# EAGLE board Mk4 Final Panel 8up 2x4 (EAGLE 9.0.1), part 21 of 23 (continued)
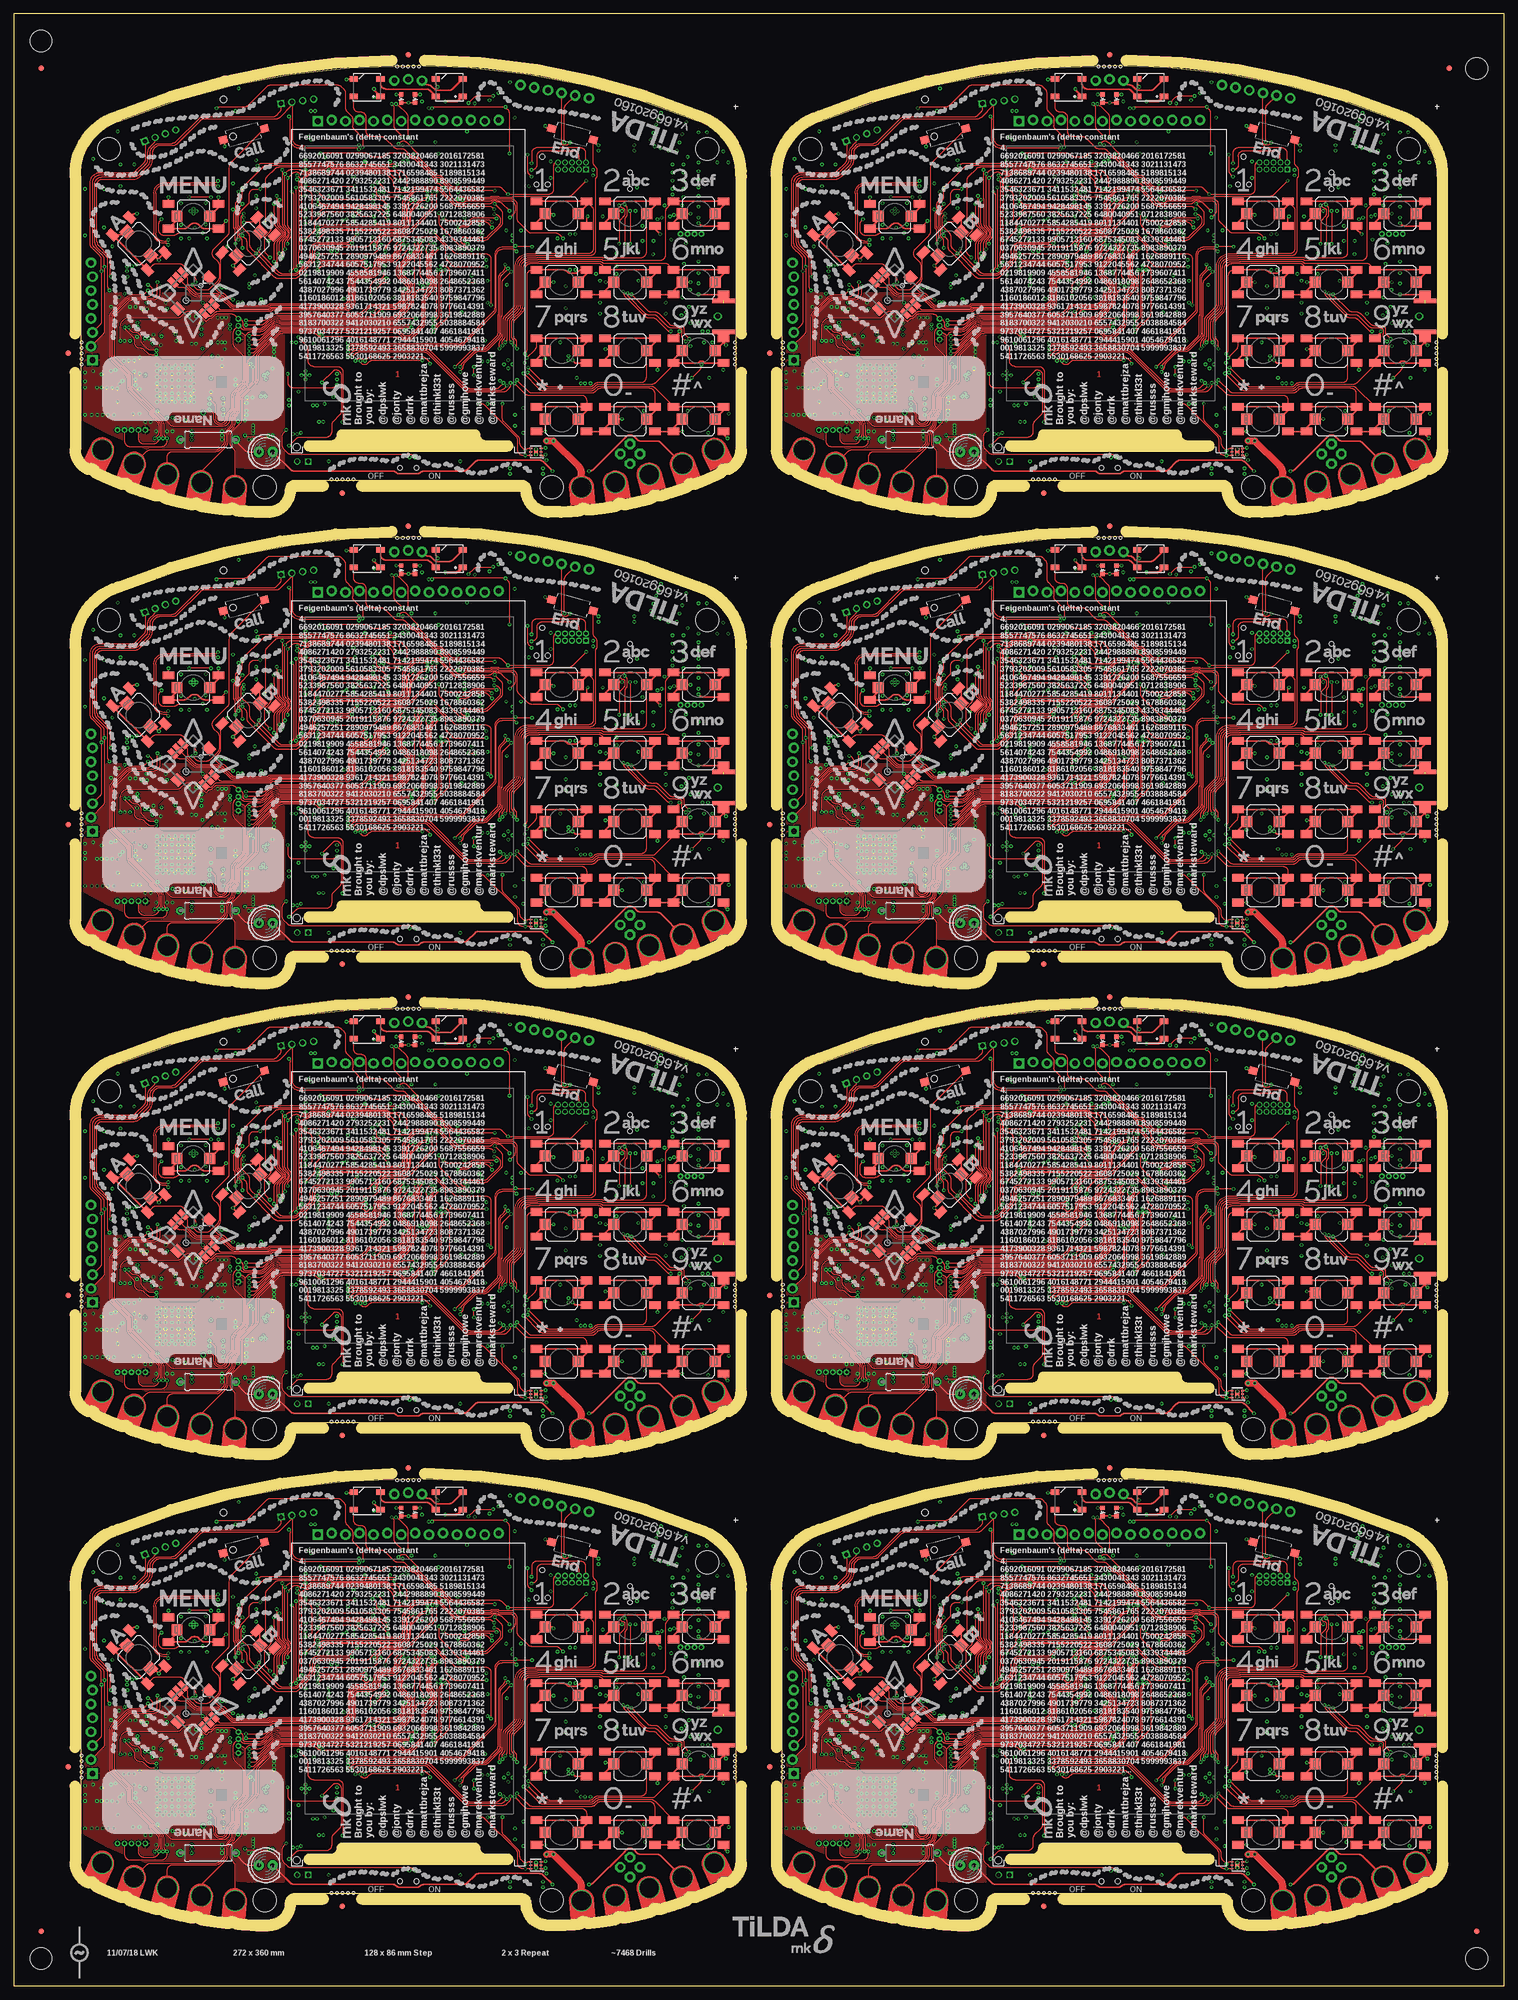
[diagram p0: board, top side]
## Tracks (layer width: path | path; a pad name or v marks a point on that pad's centre or on a via) (continued)
UART3_CC_RX2  (via drill 0.3)
  Top 0.15: v35.75,117.75 36.46,117.04 arc-45 36.75,116.34 36.75,114.25 arc90 37.75,113.25 37.8,113.25 arc90 38.8,114.25 arc-45 39.24,115.31 39.51,115.58 arc45 39.8,116.29 39.8,117.95 arc-45 40.31,119.19 41.66,120.53 arc45 41.95,121.24 41.95,125.14 arc45 41.66,125.84 40.29,127.21 arc-45 40,127.91 40,129.63 arc-45 40.29,130.33 JP25.3 41.04,131.04 41.48,130.59 arc45 42.19,130.3 44.94,130.3 arc45 45.82,130.67 46.68,131.52 arc-45 48.8,132.4 69.01,132.4 arc45 69.9,132.77 72.11,134.98 arc45 72.4,135.68 72.4,136.19 arc-45 72.55,136.55 72.75,136.75 arc45 72.9,137.11 72.9,137.98 arc45 72.53,138.87 71.1,140.3 arc-90 71.1,141.71 73.45,144.06 arc45 73.6,144.42 73.6,144.43 arc-45 73.75,144.78 arc45 73.83,144.97 73.83,146.12 arc-45 73.97,146.47 v74,146.5
  Bottom 0.15: IC47.55 34.35,121.25 arc-90 35.35,120.25 35.35,118.35 arc45 35.41,118.21 35.47,118.15 arc-45 35.52,118.01 35.52,117.97 v35.75,117.75 R224.1 | IC38.116 75,149.6 arc90 74,148.6 v74,146.5
UART3_CC_RX3  (via drill 0.3)
  Top 0.15: v163.75,117.75 164.46,117.04 arc-45 164.75,116.34 164.75,114.25 arc90 165.75,113.25 165.8,113.25 arc90 166.8,114.25 arc-45 167.24,115.31 167.51,115.58 arc45 167.8,116.29 167.8,117.95 arc-45 168.31,119.19 169.66,120.53 arc45 169.95,121.24 169.95,125.14 arc45 169.66,125.84 168.29,127.21 arc-45 168,127.91 168,129.63 arc-45 168.29,130.33 JP34.3 169.04,131.04 169.48,130.59 arc45 170.19,130.3 172.94,130.3 arc45 173.82,130.67 174.68,131.52 arc-45 176.8,132.4 197.01,132.4 arc45 197.9,132.77 200.11,134.98 arc45 200.4,135.68 200.4,136.19 arc-45 200.55,136.55 200.75,136.75 arc45 200.9,137.11 200.9,137.98 arc45 200.53,138.87 199.1,140.3 arc-90 199.1,141.71 201.45,144.06 arc45 201.6,144.42 201.6,144.43 arc-45 201.75,144.78 arc45 201.82,144.97 201.82,146.12 arc-45 201.97,146.47 v202,146.5
  Bottom 0.15: IC65.55 162.35,121.25 arc-90 163.35,120.25 163.35,118.35 arc45 163.41,118.21 163.47,118.15 arc-45 163.53,118.01 163.53,117.97 v163.75,117.75 R302.1 | IC56.116 203,149.6 arc90 202,148.6 v202,146.5
UART3_CC_RX4  (via drill 0.3)
  Top 0.15: v35.75,203.75 36.46,203.04 arc-45 36.75,202.34 36.75,200.25 arc90 37.75,199.25 37.8,199.25 arc90 38.8,200.25 arc-45 39.24,201.31 39.51,201.58 arc45 39.8,202.29 39.8,203.95 arc-45 40.31,205.19 41.66,206.53 arc45 41.95,207.24 41.95,211.14 arc45 41.66,211.84 40.29,213.21 arc-45 40,213.91 40,215.63 arc-45 40.29,216.33 JP43.3 41.04,217.04 41.48,216.59 arc45 42.19,216.3 44.94,216.3 arc45 45.82,216.67 46.68,217.52 arc-45 48.8,218.4 69.01,218.4 arc45 69.9,218.77 72.11,220.98 arc45 72.4,221.68 72.4,222.19 arc-45 72.55,222.55 72.75,222.75 arc45 72.9,223.11 72.9,223.98 arc45 72.53,224.87 71.1,226.3 arc-90 71.1,227.71 73.45,230.06 arc45 73.6,230.42 73.6,230.43 arc-45 73.75,230.78 arc45 73.83,230.97 73.83,232.12 arc-45 73.97,232.47 v74,232.5
  Bottom 0.15: IC83.55 34.35,207.25 arc-90 35.35,206.25 35.35,204.35 arc45 35.41,204.21 35.47,204.15 arc-45 35.52,204.01 35.52,203.97 v35.75,203.75 R380.1 | IC74.116 75,235.6 arc90 74,234.6 v74,232.5
UART3_CC_RX5  (via drill 0.3)
  Top 0.15: v163.75,203.75 164.46,203.04 arc-45 164.75,202.34 164.75,200.25 arc90 165.75,199.25 165.8,199.25 arc90 166.8,200.25 arc-45 167.24,201.31 167.51,201.58 arc45 167.8,202.29 167.8,203.95 arc-45 168.31,205.19 169.66,206.53 arc45 169.95,207.24 169.95,211.14 arc45 169.66,211.84 168.29,213.21 arc-45 168,213.91 168,215.63 arc-45 168.29,216.33 JP52.3 169.04,217.04 169.48,216.59 arc45 170.19,216.3 172.94,216.3 arc45 173.82,216.67 174.68,217.52 arc-45 176.8,218.4 197.01,218.4 arc45 197.9,218.77 200.11,220.98 arc45 200.4,221.68 200.4,222.19 arc-45 200.55,222.55 200.75,222.75 arc45 200.9,223.11 200.9,223.98 arc45 200.53,224.87 199.1,226.3 arc-90 199.1,227.71 201.45,230.06 arc45 201.6,230.42 201.6,230.43 arc-45 201.75,230.78 arc45 201.82,230.97 201.82,232.12 arc-45 201.97,232.47 v202,232.5
  Bottom 0.15: IC101.55 162.35,207.25 arc-90 163.35,206.25 163.35,204.35 arc45 163.41,204.21 163.47,204.15 arc-45 163.53,204.01 163.53,203.97 v163.75,203.75 R458.1 | IC92.116 203,235.6 arc90 202,234.6 v202,232.5
UART3_CC_RX6  (via drill 0.3)
  Top 0.15: v35.75,289.75 36.46,289.04 arc-45 36.75,288.34 36.75,286.25 arc90 37.75,285.25 37.8,285.25 arc90 38.8,286.25 arc-45 39.24,287.31 39.51,287.58 arc45 39.8,288.29 39.8,289.95 arc-45 40.31,291.19 41.66,292.53 arc45 41.95,293.24 41.95,297.14 arc45 41.66,297.84 40.29,299.21 arc-45 40,299.91 40,301.63 arc-45 40.29,302.33 JP61.3 41.04,303.04 41.48,302.59 arc45 42.19,302.3 44.94,302.3 arc45 45.82,302.67 46.68,303.52 arc-45 48.8,304.4 69.01,304.4 arc45 69.9,304.77 72.11,306.98 arc45 72.4,307.68 72.4,308.19 arc-45 72.55,308.55 72.75,308.75 arc45 72.9,309.11 72.9,309.98 arc45 72.53,310.87 71.1,312.3 arc-90 71.1,313.71 73.45,316.06 arc45 73.6,316.42 73.6,316.43 arc-45 73.75,316.78 arc45 73.83,316.97 73.83,318.12 arc-45 73.97,318.47 v74,318.5
  Bottom 0.15: IC119.55 34.35,293.25 arc-90 35.35,292.25 35.35,290.35 arc45 35.41,290.21 35.47,290.15 arc-45 35.52,290.01 35.52,289.98 v35.75,289.75 R536.1 | IC110.116 75,321.6 arc90 74,320.6 v74,318.5
UART3_CC_RX7  (via drill 0.3)
  Top 0.15: v163.75,289.75 164.46,289.04 arc-45 164.75,288.34 164.75,286.25 arc90 165.75,285.25 165.8,285.25 arc90 166.8,286.25 arc-45 167.24,287.31 167.51,287.58 arc45 167.8,288.29 167.8,289.95 arc-45 168.31,291.19 169.66,292.53 arc45 169.95,293.24 169.95,297.14 arc45 169.66,297.84 168.29,299.21 arc-45 168,299.91 168,301.63 arc-45 168.29,302.33 JP70.3 169.04,303.04 169.48,302.59 arc45 170.19,302.3 172.94,302.3 arc45 173.82,302.67 174.68,303.52 arc-45 176.8,304.4 197.01,304.4 arc45 197.9,304.77 200.11,306.98 arc45 200.4,307.68 200.4,308.19 arc-45 200.55,308.55 200.75,308.75 arc45 200.9,309.11 200.9,309.98 arc45 200.53,310.87 199.1,312.3 arc-90 199.1,313.71 201.45,316.06 arc45 201.6,316.42 201.6,316.43 arc-45 201.75,316.78 arc45 201.82,316.97 201.82,318.12 arc-45 201.97,318.47 v202,318.5
  Bottom 0.15: IC137.55 162.35,293.25 arc-90 163.35,292.25 163.35,290.35 arc45 163.41,290.21 163.47,290.15 arc-45 163.53,290.01 163.53,289.98 v163.75,289.75 R614.1 | IC128.116 203,321.6 arc90 202,320.6 v202,318.5
UART3_CC_TX  (via drill 0.3)
  Top 0.15: v35.75,29.75 36.45,29.05 36.45,28.2 arc90 37.7,26.95 37.85,26.95 arc90 39.1,28.2 arc-45 39.49,29.14 39.73,29.38 arc45 40.1,30.27 40.1,31.62 arc-45 40.76,33.21 41.88,34.33 arc45 42.25,35.22 42.25,43.25 | 42.25,43.25 42.71,43.71 arc-45 43.41,44 44.96,44 arc45 46.02,44.44 46.88,45.3 arc-45 48.82,46.1 69.03,46.1 arc45 70.09,46.54 72.41,48.85 arc45 72.7,49.56 72.7,50.02 arc-45 72.85,50.37 73.05,50.58 arc45 73.2,50.93 73.2,57.09 arc-45 73.41,57.59 73.75,57.94 arc45 73.9,58.29 73.9,58.3 arc-45 74.05,58.66 arc45 74.12,58.84 74.12,59.67 arc-45 74.27,60.02 v74.75,60.5 | JP5.2 41.32,43.77 arc-45 42.02,43.48 42.25,43.25
  Bottom 0.15: IC15.57 arc-90 34.65,33.55 34.65,32.06 arc45 34.71,31.92 34.77,31.86 arc-45 34.83,31.72 34.83,31.09 arc45 35.12,30.38 v35.75,29.75 R69.1 | v74.75,60.5 74.75,62.27 arc-90 75.75,63.27 77.62,63.27 77.69,63.2 IC1.117
UART3_CC_TX1  (via drill 0.3)
  Top 0.15: v163.75,29.75 164.45,29.05 164.45,28.2 arc90 165.7,26.95 165.85,26.95 arc90 167.1,28.2 arc-45 167.49,29.14 167.73,29.38 arc45 168.1,30.27 168.1,31.62 arc-45 168.76,33.21 169.88,34.33 arc45 170.25,35.22 170.25,43.25 | 170.25,43.25 170.71,43.71 arc-45 171.41,44 172.96,44 arc45 174.02,44.44 174.88,45.3 arc-45 176.82,46.1 197.03,46.1 arc45 198.09,46.54 200.41,48.85 arc45 200.7,49.56 200.7,50.02 arc-45 200.85,50.37 201.05,50.58 arc45 201.2,50.93 201.2,57.09 arc-45 201.41,57.59 201.75,57.94 arc45 201.9,58.29 201.9,58.3 arc-45 202.05,58.66 arc45 202.12,58.84 202.12,59.67 arc-45 202.27,60.02 v202.75,60.5 | JP16.2 169.32,43.77 arc-45 170.02,43.48 170.25,43.25
  Bottom 0.15: IC29.57 arc-90 162.65,33.55 162.65,32.06 arc45 162.71,31.92 162.77,31.86 arc-45 162.82,31.72 162.82,31.09 arc45 163.12,30.38 v163.75,29.75 R147.1 | v202.75,60.5 202.75,62.27 arc-90 203.75,63.27 205.62,63.27 205.69,63.2 IC20.117
UART3_CC_TX2  (via drill 0.3)
  Top 0.15: v35.75,115.75 36.45,115.05 36.45,114.2 arc90 37.7,112.95 37.85,112.95 arc90 39.1,114.2 arc-45 39.49,115.14 39.73,115.38 arc45 40.1,116.27 40.1,117.62 arc-45 40.76,119.21 41.88,120.33 arc45 42.25,121.22 42.25,129.25 | 42.25,129.25 42.71,129.71 arc-45 43.41,130 44.96,130 arc45 46.02,130.44 46.88,131.3 arc-45 48.82,132.1 69.03,132.1 arc45 70.09,132.54 72.41,134.85 arc45 72.7,135.56 72.7,136.02 arc-45 72.85,136.37 73.05,136.58 arc45 73.2,136.93 73.2,143.09 arc-45 73.41,143.59 73.75,143.94 arc45 73.9,144.29 73.9,144.3 arc-45 74.05,144.66 arc45 74.12,144.84 74.12,145.67 arc-45 74.27,146.02 v74.75,146.5 | JP25.2 41.32,129.77 arc-45 42.02,129.48 42.25,129.25
  Bottom 0.15: IC47.57 arc-90 34.65,119.55 34.65,118.06 arc45 34.71,117.92 34.77,117.86 arc-45 34.83,117.72 34.83,117.09 arc45 35.12,116.38 v35.75,115.75 R225.1 | v74.75,146.5 74.75,148.28 arc-90 75.75,149.28 77.62,149.28 77.69,149.2 IC38.117
UART3_CC_TX3  (via drill 0.3)
  Top 0.15: v163.75,115.75 164.45,115.05 164.45,114.2 arc90 165.7,112.95 165.85,112.95 arc90 167.1,114.2 arc-45 167.49,115.14 167.73,115.38 arc45 168.1,116.27 168.1,117.62 arc-45 168.76,119.21 169.88,120.33 arc45 170.25,121.22 170.25,129.25 | 170.25,129.25 170.71,129.71 arc-45 171.41,130 172.96,130 arc45 174.02,130.44 174.88,131.3 arc-45 176.82,132.1 197.03,132.1 arc45 198.09,132.54 200.41,134.85 arc45 200.7,135.56 200.7,136.02 arc-45 200.85,136.37 201.05,136.58 arc45 201.2,136.93 201.2,143.09 arc-45 201.41,143.59 201.75,143.94 arc45 201.9,144.29 201.9,144.3 arc-45 202.05,144.66 arc45 202.12,144.84 202.12,145.67 arc-45 202.27,146.02 v202.75,146.5 | JP34.2 169.32,129.77 arc-45 170.02,129.48 170.25,129.25
  Bottom 0.15: IC65.57 arc-90 162.65,119.55 162.65,118.06 arc45 162.71,117.92 162.77,117.86 arc-45 162.82,117.72 162.82,117.09 arc45 163.12,116.38 v163.75,115.75 R303.1 | v202.75,146.5 202.75,148.28 arc-90 203.75,149.28 205.62,149.28 205.69,149.2 IC56.117
UART3_CC_TX4  (via drill 0.3)
  Top 0.15: v35.75,201.75 36.45,201.05 36.45,200.2 arc90 37.7,198.95 37.85,198.95 arc90 39.1,200.2 arc-45 39.49,201.14 39.73,201.38 arc45 40.1,202.27 40.1,203.62 arc-45 40.76,205.21 41.88,206.33 arc45 42.25,207.22 42.25,215.25 | 42.25,215.25 42.71,215.71 arc-45 43.41,216 44.96,216 arc45 46.02,216.44 46.88,217.29 arc-45 48.82,218.1 69.03,218.1 arc45 70.09,218.54 72.41,220.85 arc45 72.7,221.56 72.7,222.02 arc-45 72.85,222.37 73.05,222.58 arc45 73.2,222.93 73.2,229.09 arc-45 73.41,229.59 73.75,229.94 arc45 73.9,230.29 73.9,230.3 arc-45 74.05,230.66 arc45 74.12,230.84 74.12,231.67 arc-45 74.27,232.02 v74.75,232.5 | JP43.2 41.32,215.77 arc-45 42.02,215.48 42.25,215.25
  Bottom 0.15: IC83.57 arc-90 34.65,205.55 34.65,204.06 arc45 34.71,203.92 34.77,203.86 arc-45 34.83,203.72 34.83,203.09 arc45 35.12,202.38 v35.75,201.75 R381.1 | v74.75,232.5 74.75,234.28 arc-90 75.75,235.28 77.62,235.28 77.69,235.2 IC74.117
UART3_CC_TX5  (via drill 0.3)
  Top 0.15: v163.75,201.75 164.45,201.05 164.45,200.2 arc90 165.7,198.95 165.85,198.95 arc90 167.1,200.2 arc-45 167.49,201.14 167.73,201.38 arc45 168.1,202.27 168.1,203.62 arc-45 168.76,205.21 169.88,206.33 arc45 170.25,207.22 170.25,215.25 | 170.25,215.25 170.71,215.71 arc-45 171.41,216 172.96,216 arc45 174.02,216.44 174.88,217.29 arc-45 176.82,218.1 197.03,218.1 arc45 198.09,218.54 200.41,220.85 arc45 200.7,221.56 200.7,222.02 arc-45 200.85,222.37 201.05,222.58 arc45 201.2,222.93 201.2,229.09 arc-45 201.41,229.59 201.75,229.94 arc45 201.9,230.29 201.9,230.3 arc-45 202.05,230.66 arc45 202.12,230.84 202.12,231.67 arc-45 202.27,232.02 v202.75,232.5 | JP52.2 169.32,215.77 arc-45 170.02,215.48 170.25,215.25
  Bottom 0.15: IC101.57 arc-90 162.65,205.55 162.65,204.06 arc45 162.71,203.92 162.77,203.86 arc-45 162.82,203.72 162.82,203.09 arc45 163.12,202.38 v163.75,201.75 R459.1 | v202.75,232.5 202.75,234.28 arc-90 203.75,235.28 205.62,235.28 205.69,235.2 IC92.117
UART3_CC_TX6  (via drill 0.3)
  Top 0.15: v35.75,287.75 36.45,287.05 36.45,286.2 arc90 37.7,284.95 37.85,284.95 arc90 39.1,286.2 arc-45 39.49,287.14 39.73,287.38 arc45 40.1,288.27 40.1,289.62 arc-45 40.76,291.21 41.88,292.33 arc45 42.25,293.22 42.25,301.25 | 42.25,301.25 42.71,301.71 arc-45 43.41,302 44.96,302 arc45 46.02,302.44 46.88,303.3 arc-45 48.82,304.1 69.03,304.1 arc45 70.09,304.54 72.41,306.85 arc45 72.7,307.56 72.7,308.02 arc-45 72.85,308.37 73.05,308.58 arc45 73.2,308.93 73.2,315.09 arc-45 73.41,315.59 73.75,315.94 arc45 73.9,316.29 73.9,316.3 arc-45 74.05,316.65 arc45 74.12,316.85 74.12,317.67 arc-45 74.27,318.02 v74.75,318.5 | JP61.2 41.32,301.77 arc-45 42.02,301.48 42.25,301.25
  Bottom 0.15: IC119.57 arc-90 34.65,291.55 34.65,290.06 arc45 34.71,289.92 34.77,289.86 arc-45 34.83,289.72 34.83,289.09 arc45 35.12,288.38 v35.75,287.75 R537.1 | v74.75,318.5 74.75,320.27 arc-90 75.75,321.27 77.62,321.27 77.69,321.2 IC110.117
UART3_CC_TX7  (via drill 0.3)
  Top 0.15: v163.75,287.75 164.45,287.05 164.45,286.2 arc90 165.7,284.95 165.85,284.95 arc90 167.1,286.2 arc-45 167.49,287.14 167.73,287.38 arc45 168.1,288.27 168.1,289.62 arc-45 168.76,291.21 169.88,292.33 arc45 170.25,293.22 170.25,301.25 | 170.25,301.25 170.71,301.71 arc-45 171.41,302 172.96,302 arc45 174.02,302.44 174.88,303.3 arc-45 176.82,304.1 197.03,304.1 arc45 198.09,304.54 200.41,306.85 arc45 200.7,307.56 200.7,308.02 arc-45 200.85,308.37 201.05,308.58 arc45 201.2,308.93 201.2,315.09 arc-45 201.41,315.59 201.75,315.94 arc45 201.9,316.29 201.9,316.3 arc-45 202.05,316.65 arc45 202.12,316.85 202.12,317.67 arc-45 202.27,318.02 v202.75,318.5 | JP70.2 169.32,301.77 arc-45 170.02,301.48 170.25,301.25
  Bottom 0.15: IC137.57 arc-90 162.65,291.55 162.65,290.06 arc45 162.71,289.92 162.77,289.86 arc-45 162.82,289.72 162.82,289.09 arc45 163.12,288.38 v163.75,287.75 R615.1 | v202.75,318.5 202.75,320.27 arc-90 203.75,321.27 205.62,321.27 205.69,321.2 IC128.117
UART4_EXT_RX  (via drill 0.3)
  Top 0.15: PCB.CH3 28.04,21.1 arc-90 29.04,22.1 36.88,22.1 arc45 37.77,22.47 38.48,23.18 arc45 38.85,24.07 38.85,24.93 arc-45 39.29,25.99 39.73,26.43 arc45 40.1,27.32 40.1,27.86 arc-45 40.47,28.74 arc45 41,30.03 41,31.55 arc-45 41.44,32.61 43.41,34.58 arc45 43.7,35.29 v43.7,37.5 | v71.4,51.7 71.35,51.65 arc45 71.2,51.29 71.2,50.37 arc-45 70.83,49.48 70.42,49.07 arc-45 69.53,48.7 65.61,48.7 arc45 64.91,48.41 63.87,47.37 arc-45 62.98,47 48.76,47 arc45 46.38,46.08 45.8,45.49 arc-45 45.09,45.2 v42.4,45.2
  Top 0.2: J10.1 arc-45 24.1,78.32 24.1,75.51 arc-45 23.81,74.81 22.29,73.29 arc-45 21.59,73 15.75,73 arc90 14,71.25 14,59.91 arc45 14.29,59.21 15.71,57.79 arc-45 16,57.09 v16,55 16,45.87 arc-45 15.71,45.16 JP6.3
  3V3@2 0.15: 28,17.87 PCB.CH3 | v42.4,45.2 42.3,45.2 41.75,45.75 41.75,46.73 40.95,47.53 v40.95,49.35 | v20.7,55 v16,55
  Bottom 0.15: v71.4,51.7 71.32,51.78 arc-45 71.18,52.13 71.18,53.37 arc45 71.03,53.72 70.85,53.9 arc-45 70.7,54.26 70.7,55.26 arc-45 70.99,55.97 71.11,56.08 arc45 71.4,56.79 IC1.18 | v42.4,45.2 arc-45 42.91,44.99 43.71,44.19 arc-45 44,43.49 44,38.21 arc-45 v43.71,37.51 v43.7,37.5 | v20.7,55 32.41,55 arc-45 33.12,54.71 34.71,53.11 arc45 35.95,52.6 38.9,52.6 arc-90 39.9,51.6 39.9,51.03 arc45 40.03,50.73 40.63,50.12 arc-45 v40.95,49.35
  Bottom 0.3: J10.5 J10.1
UART4_EXT_RX1  (via drill 0.3)
  Top 0.15: PCB1.CH3 156.04,21.1 arc-90 157.04,22.1 164.88,22.1 arc45 165.77,22.47 166.48,23.18 arc45 166.85,24.07 166.85,24.93 arc-45 167.29,25.99 167.73,26.43 arc45 168.1,27.32 168.1,27.86 arc-45 168.47,28.74 arc45 169,30.03 169,31.55 arc-45 169.44,32.61 171.41,34.58 arc45 171.7,35.29 v171.7,37.5 | v199.4,51.7 199.35,51.65 arc45 199.2,51.29 199.2,50.37 arc-45 198.83,49.48 198.42,49.07 arc-45 197.53,48.7 193.61,48.7 arc45 192.91,48.41 191.87,47.37 arc-45 190.98,47 176.76,47 arc45 174.38,46.08 173.8,45.49 arc-45 173.09,45.2 v170.4,45.2
  Top 0.2: J16.1 arc-45 152.1,78.32 152.1,75.51 arc-45 151.81,74.81 150.29,73.29 arc-45 149.59,73 143.75,73 arc90 142,71.25 142,59.91 arc45 142.29,59.21 143.71,57.79 arc-45 144,57.09 v144,55 144,45.87 arc-45 143.71,45.16 JP17.3
  3V3@2 0.15: 156,17.87 PCB1.CH3 | v170.4,45.2 170.3,45.2 169.75,45.75 169.75,46.73 168.95,47.53 v168.95,49.35 | v148.7,55 v144,55
  Bottom 0.15: v199.4,51.7 199.32,51.78 arc-45 199.18,52.13 199.18,53.37 arc45 199.03,53.72 198.85,53.9 arc-45 198.7,54.26 198.7,55.26 arc-45 198.99,55.97 199.11,56.08 arc45 199.4,56.79 IC20.18 | v170.4,45.2 arc-45 170.91,44.99 171.71,44.19 arc-45 172,43.49 172,38.21 arc-45 v171.71,37.51 v171.7,37.5 | v148.7,55 160.41,55 arc-45 161.12,54.71 162.71,53.11 arc45 163.95,52.6 166.9,52.6 arc-90 167.9,51.6 167.9,51.03 arc45 168.03,50.73 168.63,50.12 arc-45 v168.95,49.35
  Bottom 0.3: J16.5 J16.1
UART4_EXT_RX2  (via drill 0.3)
  Top 0.15: PCB2.CH3 28.04,107.1 arc-90 29.04,108.1 36.88,108.1 arc45 37.77,108.47 38.48,109.18 arc45 38.85,110.07 38.85,110.93 arc-45 39.29,111.99 39.73,112.43 arc45 40.1,113.32 40.1,113.86 arc-45 40.47,114.74 arc45 41,116.03 41,117.55 arc-45 41.44,118.61 43.41,120.58 arc45 43.7,121.29 v43.7,123.5 | v71.4,137.7 71.35,137.65 arc45 71.2,137.29 71.2,136.37 arc-45 70.83,135.48 70.42,135.07 arc-45 69.53,134.7 65.61,134.7 arc45 64.91,134.41 63.87,133.37 arc-45 62.98,133 48.76,133 arc45 46.38,132.07 45.8,131.49 arc-45 45.09,131.2 v42.4,131.2
  Top 0.2: J26.1 arc-45 24.1,164.32 24.1,161.51 arc-45 23.81,160.81 22.29,159.29 arc-45 21.59,159 15.75,159 arc90 14,157.25 14,145.91 arc45 14.29,145.21 15.71,143.79 arc-45 16,143.09 v16,141 16,131.87 arc-45 15.71,131.16 JP26.3
  3V3@2 0.15: 28,103.87 PCB2.CH3 | v42.4,131.2 42.3,131.2 41.75,131.75 41.75,132.73 40.95,133.53 v40.95,135.35 | v20.7,141 v16,141
  Bottom 0.15: v71.4,137.7 71.32,137.78 arc-45 71.18,138.13 71.18,139.37 arc45 71.03,139.72 70.85,139.9 arc-45 70.7,140.26 70.7,141.26 arc-45 70.99,141.97 71.11,142.08 arc45 71.4,142.79 IC38.18 | v42.4,131.2 arc-45 42.91,130.99 43.71,130.19 arc-45 44,129.49 44,124.21 arc-45 v43.71,123.51 v43.7,123.5 | v20.7,141 32.41,141 arc-45 33.12,140.71 34.71,139.11 arc45 35.95,138.6 38.9,138.6 arc-90 39.9,137.6 39.9,137.03 arc45 40.03,136.73 40.63,136.12 arc-45 v40.95,135.35
  Bottom 0.3: J26.5 J26.1
UART4_EXT_RX3  (via drill 0.3)
  Top 0.15: PCB3.CH3 156.04,107.1 arc-90 157.04,108.1 164.88,108.1 arc45 165.77,108.47 166.48,109.18 arc45 166.85,110.07 166.85,110.93 arc-45 167.29,111.99 167.73,112.43 arc45 168.1,113.32 168.1,113.86 arc-45 168.47,114.74 arc45 169,116.03 169,117.55 arc-45 169.44,118.61 171.41,120.58 arc45 171.7,121.29 v171.7,123.5 | v199.4,137.7 199.35,137.65 arc45 199.2,137.29 199.2,136.37 arc-45 198.83,135.48 198.42,135.07 arc-45 197.53,134.7 193.61,134.7 arc45 192.91,134.41 191.87,133.37 arc-45 190.98,133 176.76,133 arc45 174.38,132.07 173.8,131.49 arc-45 173.09,131.2 v170.4,131.2
  Top 0.2: J36.1 arc-45 152.1,164.32 152.1,161.51 arc-45 151.81,160.81 150.29,159.29 arc-45 149.59,159 143.75,159 arc90 142,157.25 142,145.91 arc45 142.29,145.21 143.71,143.79 arc-45 144,143.09 v144,141 144,131.87 arc-45 143.71,131.16 JP35.3
  3V3@2 0.15: 156,103.87 PCB3.CH3 | v170.4,131.2 170.3,131.2 169.75,131.75 169.75,132.73 168.95,133.53 v168.95,135.35 | v148.7,141 v144,141
  Bottom 0.15: v199.4,137.7 199.32,137.78 arc-45 199.18,138.13 199.18,139.37 arc45 199.03,139.72 198.85,139.9 arc-45 198.7,140.26 198.7,141.26 arc-45 198.99,141.97 199.11,142.08 arc45 199.4,142.79 IC56.18 | v170.4,131.2 arc-45 170.91,130.99 171.71,130.19 arc-45 172,129.49 172,124.21 arc-45 v171.71,123.51 v171.7,123.5 | v148.7,141 160.41,141 arc-45 161.12,140.71 162.71,139.11 arc45 163.95,138.6 166.9,138.6 arc-90 167.9,137.6 167.9,137.03 arc45 168.03,136.73 168.63,136.12 arc-45 v168.95,135.35
  Bottom 0.3: J36.5 J36.1
UART4_EXT_RX4  (via drill 0.3)
  Top 0.15: PCB4.CH3 28.04,193.1 arc-90 29.04,194.1 36.88,194.1 arc45 37.77,194.47 38.48,195.18 arc45 38.85,196.07 38.85,196.93 arc-45 39.29,197.99 39.73,198.43 arc45 40.1,199.32 40.1,199.86 arc-45 40.47,200.74 arc45 41,202.03 41,203.55 arc-45 41.44,204.62 43.41,206.58 arc45 43.7,207.29 v43.7,209.5 | v71.4,223.7 71.35,223.65 arc45 71.2,223.29 71.2,222.37 arc-45 70.83,221.48 70.42,221.07 arc-45 69.53,220.7 65.61,220.7 arc45 64.91,220.41 63.87,219.37 arc-45 62.98,219 48.76,219 arc45 46.38,218.07 45.8,217.49 arc-45 45.09,217.2 v42.4,217.2
  Top 0.2: J46.1 arc-45 24.1,250.32 24.1,247.51 arc-45 23.81,246.81 22.29,245.29 arc-45 21.59,245 15.75,245 arc90 14,243.25 14,231.91 arc45 14.29,231.21 15.71,229.79 arc-45 16,229.09 v16,227 16,217.87 arc-45 15.71,217.16 JP44.3
  3V3@2 0.15: 28,189.87 PCB4.CH3 | v42.4,217.2 42.3,217.2 41.75,217.75 41.75,218.73 40.95,219.53 v40.95,221.35 | v20.7,227 v16,227
  Bottom 0.15: v71.4,223.7 71.32,223.78 arc-45 71.18,224.13 71.18,225.37 arc45 71.03,225.72 70.85,225.9 arc-45 70.7,226.26 70.7,227.26 arc-45 70.99,227.97 71.11,228.08 arc45 71.4,228.79 IC74.18 | v42.4,217.2 arc-45 42.91,216.99 43.71,216.19 arc-45 44,215.49 44,210.21 arc-45 v43.71,209.51 v43.7,209.5 | v20.7,227 32.41,227 arc-45 33.12,226.71 34.71,225.11 arc45 35.95,224.6 38.9,224.6 arc-90 39.9,223.6 39.9,223.03 arc45 40.03,222.73 40.63,222.12 arc-45 v40.95,221.35
  Bottom 0.3: J46.5 J46.1
UART4_EXT_RX5  (via drill 0.3)
  Top 0.15: PCB5.CH3 156.04,193.1 arc-90 157.04,194.1 164.88,194.1 arc45 165.77,194.47 166.48,195.18 arc45 166.85,196.07 166.85,196.93 arc-45 167.29,197.99 167.73,198.43 arc45 168.1,199.32 168.1,199.86 arc-45 168.47,200.74 arc45 169,202.03 169,203.55 arc-45 169.44,204.62 171.41,206.58 arc45 171.7,207.29 v171.7,209.5 | v199.4,223.7 199.35,223.65 arc45 199.2,223.29 199.2,222.37 arc-45 198.83,221.48 198.42,221.07 arc-45 197.53,220.7 193.61,220.7 arc45 192.91,220.41 191.87,219.37 arc-45 190.98,219 176.76,219 arc45 174.38,218.07 173.8,217.49 arc-45 173.09,217.2 v170.4,217.2
  Top 0.2: J56.1 arc-45 152.1,250.32 152.1,247.51 arc-45 151.81,246.81 150.29,245.29 arc-45 149.59,245 143.75,245 arc90 142,243.25 142,231.91 arc45 142.29,231.21 143.71,229.79 arc-45 144,229.09 v144,227 144,217.87 arc-45 143.71,217.16 JP53.3
  3V3@2 0.15: 156,189.87 PCB5.CH3 | v170.4,217.2 170.3,217.2 169.75,217.75 169.75,218.73 168.95,219.53 v168.95,221.35 | v148.7,227 v144,227
  Bottom 0.15: v199.4,223.7 199.32,223.78 arc-45 199.18,224.13 199.18,225.37 arc45 199.03,225.72 198.85,225.9 arc-45 198.7,226.26 198.7,227.26 arc-45 198.99,227.97 199.11,228.08 arc45 199.4,228.79 IC92.18 | v170.4,217.2 arc-45 170.91,216.99 171.71,216.19 arc-45 172,215.49 172,210.21 arc-45 v171.71,209.51 v171.7,209.5 | v148.7,227 160.41,227 arc-45 161.12,226.71 162.71,225.11 arc45 163.95,224.6 166.9,224.6 arc-90 167.9,223.6 167.9,223.03 arc45 168.03,222.73 168.63,222.12 arc-45 v168.95,221.35
  Bottom 0.3: J56.5 J56.1
UART4_EXT_RX6  (via drill 0.3)
  Top 0.15: PCB6.CH3 28.04,279.1 arc-90 29.04,280.1 36.88,280.1 arc45 37.77,280.47 38.48,281.18 arc45 38.85,282.07 38.85,282.93 arc-45 39.29,283.99 39.73,284.43 arc45 40.1,285.32 40.1,285.86 arc-45 40.47,286.74 arc45 41,288.03 41,289.55 arc-45 41.44,290.62 43.41,292.58 arc45 43.7,293.29 v43.7,295.5 | v71.4,309.7 71.35,309.65 arc45 71.2,309.29 71.2,308.37 arc-45 70.83,307.48 70.42,307.07 arc-45 69.53,306.7 65.61,306.7 arc45 64.91,306.41 63.87,305.37 arc-45 62.98,305 48.76,305 arc45 46.38,304.07 45.8,303.49 arc-45 45.09,303.2 v42.4,303.2
  Top 0.2: J66.1 arc-45 24.1,336.32 24.1,333.51 arc-45 23.81,332.81 22.29,331.29 arc-45 21.59,331 15.75,331 arc90 14,329.25 14,317.91 arc45 14.29,317.21 15.71,315.79 arc-45 16,315.09 v16,313 16,303.87 arc-45 15.71,303.16 JP62.3
  3V3@2 0.15: 28,275.87 PCB6.CH3 | v42.4,303.2 42.3,303.2 41.75,303.75 41.75,304.73 40.95,305.53 v40.95,307.35 | v20.7,313 v16,313
  Bottom 0.15: v71.4,309.7 71.32,309.78 arc-45 71.18,310.13 71.18,311.37 arc45 71.03,311.72 70.85,311.9 arc-45 70.7,312.26 70.7,313.26 arc-45 70.99,313.97 71.11,314.08 arc45 71.4,314.79 IC110.18 | v42.4,303.2 arc-45 42.91,302.99 43.71,302.19 arc-45 44,301.49 44,296.21 arc-45 v43.71,295.51 v43.7,295.5 | v20.7,313 32.41,313 arc-45 33.12,312.71 34.71,311.11 arc45 35.95,310.6 38.9,310.6 arc-90 39.9,309.6 39.9,309.03 arc45 40.03,308.73 40.63,308.12 arc-45 v40.95,307.35
  Bottom 0.3: J66.5 J66.1
UART4_EXT_RX7  (via drill 0.3)
  Top 0.15: PCB7.CH3 156.04,279.1 arc-90 157.04,280.1 164.88,280.1 arc45 165.77,280.47 166.48,281.18 arc45 166.85,282.07 166.85,282.93 arc-45 167.29,283.99 167.73,284.43 arc45 168.1,285.32 168.1,285.86 arc-45 168.47,286.74 arc45 169,288.03 169,289.55 arc-45 169.44,290.62 171.41,292.58 arc45 171.7,293.29 v171.7,295.5 | v199.4,309.7 199.35,309.65 arc45 199.2,309.29 199.2,308.37 arc-45 198.83,307.48 198.42,307.07 arc-45 197.53,306.7 193.61,306.7 arc45 192.91,306.41 191.87,305.37 arc-45 190.98,305 176.76,305 arc45 174.38,304.07 173.8,303.49 arc-45 173.09,303.2 v170.4,303.2
  Top 0.2: J76.1 arc-45 152.1,336.32 152.1,333.51 arc-45 151.81,332.81 150.29,331.29 arc-45 149.59,331 143.75,331 arc90 142,329.25 142,317.91 arc45 142.29,317.21 143.71,315.79 arc-45 144,315.09 v144,313 144,303.87 arc-45 143.71,303.16 JP71.3
  3V3@2 0.15: 156,275.87 PCB7.CH3 | v170.4,303.2 170.3,303.2 169.75,303.75 169.75,304.73 168.95,305.53 v168.95,307.35 | v148.7,313 v144,313